# Altium PCB ld_harness.PcbDoc (part 3 of 3)
Units mm, origin at the board's own origin, x right, y up, seen from the top; angles counter-clockwise.
Board outline 234 x 120.33 mm, 2 copper layers (Top Layer, Bottom Layer), stack 0.145 mm thick; 21 components, 114 nets, 500 pads, 1994 vias.
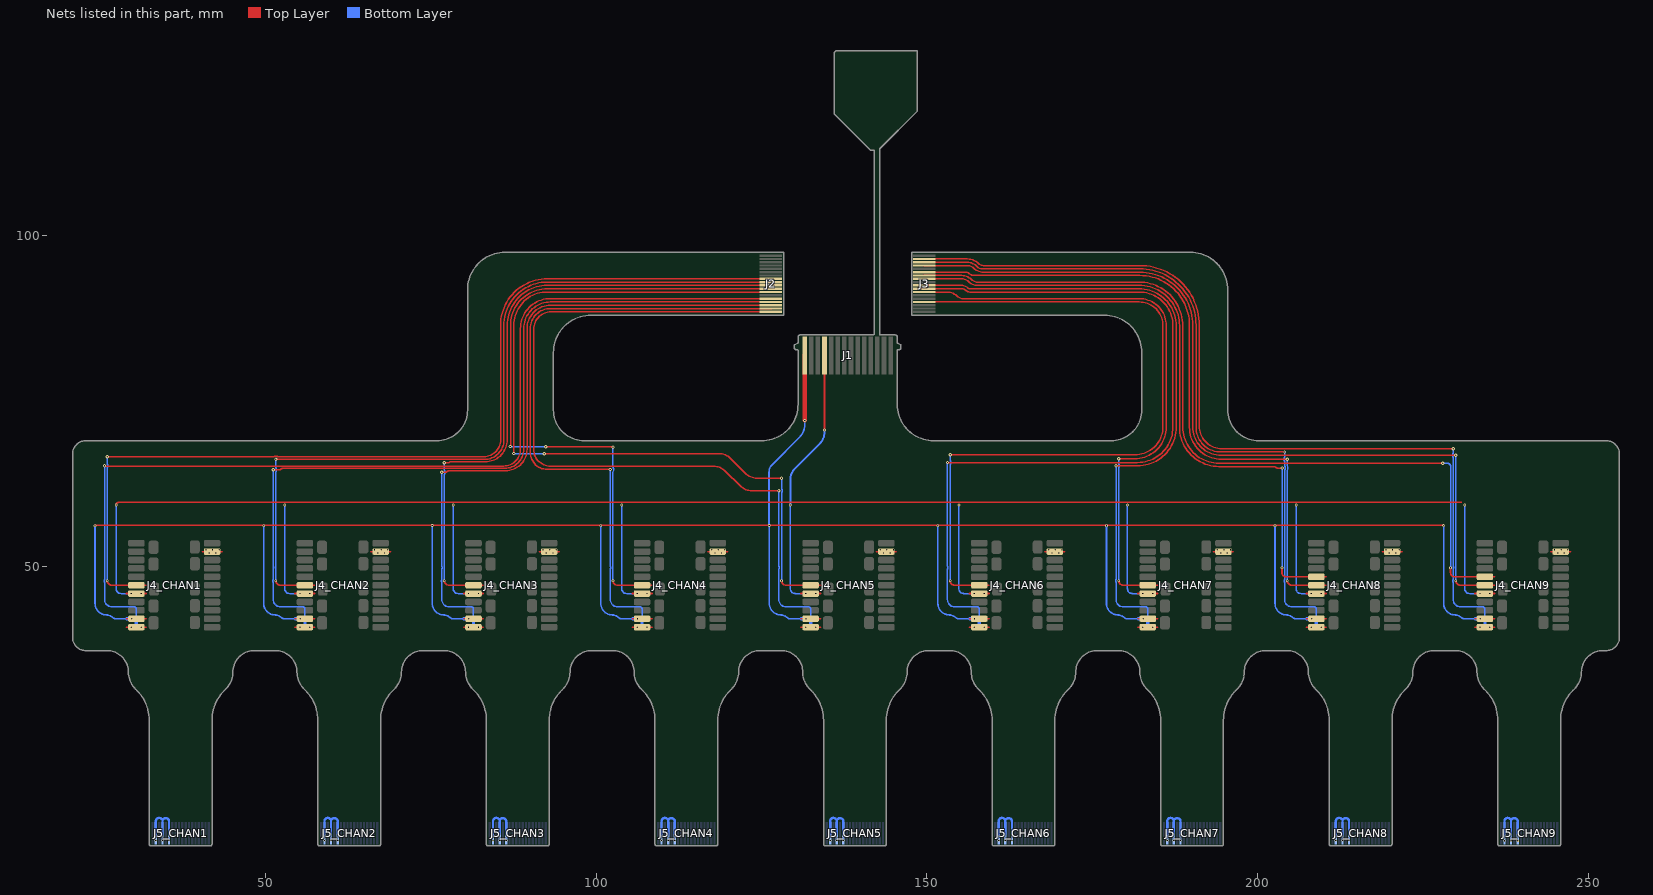
[diagram p3: the nets of this part, all layers, seen from the top]

## Via types
v1: diameter 0.4, hole 0.2, Top Layer to Bottom Layer, tented both sides, 1077 vias
v2: diameter 0.35, hole 0.2, Top Layer to Bottom Layer, tented both sides, 739 vias
v3: diameter 0.45, hole 0.2, Top Layer to Bottom Layer, tented both sides, 98 vias
v4: diameter 0.5, hole 0.2, Top Layer to Bottom Layer, tented both sides, 65 vias
v5: diameter 0.6, hole 0.2, Top Layer to Bottom Layer, tented both sides, 15 vias

## Nets (pads, with @x,y where several pads share a name; then routed paths per layer and width w, separated by ;. In a path a pad name is that pad's centre, name@x,y a point inside that pad or via, vN(x,y) a via of type N, cw(c..) or ccw(c..) an arc to the next point about the centre after c; other vN are vias at no path point) (continued)
OP_OUT_P8: J3.11 J4_CHAN8.5_G | length 98.3
  Top Layer w0.2: J3.11@149.5,93.5 155.251,93.5 cw(c155.251,91.951) 156.346,93.046 ccw(c157.666,94.366) 157.666,92.5 182.1,92.5 cw(c182.1,86.4) 188.2,86.4 188.2,71.055 ccw(c194.155,71.055) 194.155,65.1 202.459,65.1 cw(c202.459,64.759) 202.7,65 ccw(c203.002,65.302) 203.002,64.875 v4(203.725,64.875) ; J4_CHAN8.5_G@207.656,48.4 J4_CHAN8.5_G@207.8,48.4
  Top Layer w0.25: v1(203.7,49.798) 203.7,49.025 ccw(c204.3,49.025) 204.3,48.425 207.4,48.425 207.656,48.425 208.15,48.425 208.7,48.425 J4_CHAN8.5_G@208.9,48.425
  Bottom Layer w0.2: v1(203.7,49.798) 203.725,49.823 v4(203.725,64.875)
OP_OUT_P9: J3.12 J4_CHAN9.5_G | length 124.3
  Top Layer w0.2: J3.12@149.5,94 155.251,94 cw(c155.251,91.951) 156.7,93.4 ccw(c157.666,94.366) 157.666,93 182.1,93 cw(c182.1,86.4) 188.7,86.4 188.7,71.055 ccw(c194.155,71.055) 194.155,65.6 199.8,65.6 v4(228,65.6) ; J4_CHAN9.5_G@233.156,48.4 J4_CHAN9.5_G@233.3,48.4
  Top Layer w0.25: v1(229.2,49.798) 229.2,49.025 ccw(c229.8,49.025) 229.8,48.425 232.9,48.425 233.156,48.425 233.65,48.425 234.2,48.425 J4_CHAN9.5_G@234.4,48.425
  Bottom Layer w0.2: v4(228,65.6) 228.717,65.6 cw(c228.717,65.092) 229.225,65.092 229.225,49.823 v1(229.2,49.798)
PULSE_IN_A: J1.4 J4_CHAN1.7_G J4_CHAN2.7_G J4_CHAN3.7_G J4_CHAN4.7_G J4_CHAN5.7_G J4_CHAN6.7_G J4_CHAN7.7_G J4_CHAN8.7_G J4_CHAN9.7_G | length 380.6
  Top Layer w0.2: v1(27.337,59.275) cw(c27.762,59.275) 27.762,59.7 27.888,59.7 48.7,59.7 74.2,59.7 99.7,59.7 125.2,59.7 150.7,59.7 176.2,59.7 201.7,59.7 227.2,59.7 230.875,59.7
  Top Layer w0.3: v3@134.5,70.55 J1.4@134.5,82
  Bottom Layer w0.2: v1(27.337,59.275) 27.325,59.262 27.325,46.647 ccw(c28.087,46.647) 28.087,45.885 29.65,45.885 v2(29.65,45.88) ; v1(52.837,59.275) 52.825,59.262 52.825,46.647 ccw(c53.587,46.647) 53.587,45.885 55.15,45.885 v2(55.15,45.88) ; v1(78.338,59.275) 78.325,59.262 78.325,46.647 ccw(c79.087,46.647) 79.087,45.885 80.65,45.885 v2(80.65,45.88) ; v1(103.838,59.275) 103.825,59.262 103.825,46.647 ccw(c104.587,46.647) 104.587,45.885 106.15,45.885 v2(106.15,45.88) ; v1(129.338,59.275) 129.325,59.262 129.325,46.647 ccw(c130.087,46.647) 130.087,45.885 131.65,45.885 v2(131.65,45.88) ; v1(154.838,59.275) 154.825,59.262 154.825,46.647 ccw(c155.587,46.647) 155.587,45.885 157.15,45.885 v2(157.15,45.88) ; v1(180.338,59.275) 180.325,59.262 180.325,46.647 ccw(c181.087,46.647) 181.087,45.885 182.65,45.885 v2(182.65,45.88) ; v1(205.838,59.275) 205.825,59.262 205.825,46.647 ccw(c206.587,46.647) 206.587,45.885 208.15,45.885 v2(208.15,45.88) ; v1(231.338,59.275) 231.325,59.262 231.325,46.647 ccw(c232.087,46.647) 232.087,45.885 233.65,45.885 v2(233.65,45.88)
  Bottom Layer w0.3: v1(129.338,59.275) 129.338,63.06 cw(c131.878,63.06) 130.081,64.856 133.756,68.531 ccw(c131.96,70.327) 134.5,70.327 v3(134.5,70.625)
  Bottom Layer w0.5: v2@29.65,45.885 v2@31.15,45.885 ; v2@55.15,45.885 v2@56.65,45.885 ; v2@80.65,45.885 v2@82.15,45.885 ; v2@106.15,45.885 v2@107.65,45.885 ; v2@131.65,45.885 v2@133.15,45.885 ; v2@157.15,45.885 v2@158.65,45.885 ; v2@182.65,45.885 v2@184.15,45.885 ; v2@208.15,45.885 v2@209.65,45.885 ; v2@233.65,45.885 v2@235.15,45.885
  other v2: 31.15,45.89 56.65,45.89 82.15,45.89 107.65,45.89 133.15,45.89 158.65,45.89 184.15,45.89 209.65,45.89 235.15,45.89
PULSE_OUT_A1: J2.8 J4_CHAN1.6_G | length 145.4
  Top Layer w0.2: v1(26,47.8) ccw(c26.645,47.8) 26.645,47.155 28.9,47.155 ; v4(26,66.575) cw(c26.025,66.575) 26.025,66.6 51.187,66.6 ccw(c51.186,66.8) 51.278,66.623 cw(c51.511,66.18) 51.765,66.61 51.775,66.606 ccw(c51.856,66.789) 51.791,66.6 52.2,66.6 82.96,66.6 ccw(c82.96,69.14) 85.5,69.14 85.5,86.46 cw(c92.54,86.46) 92.54,93.5 J2.8@126.5,93.5
  Bottom Layer w0.2: v1(26,47.8) 26,64.886 cw(c26.2,64.885) 26.021,64.974 ccw(c25.575,65.2) 26.021,65.426 cw(c26.2,65.515) 26,65.514 v4(26,66.575)
PULSE_OUT_A2: J2.9 J4_CHAN2.6_G | length 119.4
  Top Layer w0.2: v1(51.5,47.8) ccw(c52.145,47.8) 52.145,47.155 54.4,47.155 ; v4(51.511,66.18) 83.04,66.18 ccw(c83.04,69.14) 86,69.14 86,86.46 cw(c92.54,86.46) 92.54,93 J2.9@126.5,93
  Bottom Layer w0.2: v1(51.5,47.8) 51.5,64.24 cw(c51.7,64.239) 51.528,64.342 ccw(c51.1,64.6) 51.528,64.858 cw(c51.7,64.961) 51.5,64.96 v4@51.5,66.169 ; v4@51.5,66.169 51.5,66.18 v4(51.511,66.18) v4@51.5,66.169
PULSE_OUT_A3: J2.10 J4_CHAN3.6_G | length 93.4
  Top Layer w0.2: v4(76.982,65.677) 77.61,65.677 ccw(c77.61,65.84) 77.725,65.725 cw(c77.935,65.515) 77.935,65.812 83.16,65.812 ccw(c83.16,69.152) 86.5,69.152 86.5,86.46 cw(c92.54,86.46) 92.54,92.5 J2.10@126.5,92.5 ; v1(77,47.8) ccw(c77.645,47.8) 77.645,47.155 79.9,47.155
  Bottom Layer w0.2: v4(76.982,65.677) cw(c76.94,65.635) 77,65.635 77,64.585 ccw(c77.2,64.586) 77.028,64.483 cw(c76.6,64.225) 77.028,63.967 ccw(c77.2,63.864) 77,63.865 v1(77,47.8)
PULSE_OUT_A4: J2.11 J4_CHAN4.6_G | length 100
  Top Layer w0.2: v4(86.975,68.125) 87,68.15 87,86.46 cw(c92.54,86.46) 92.54,92 J2.11@126.5,92 ; v4(92.35,68.075) 102.344,68.075 102.419,68 v4(102.5,68) ; v1(102.5,47.8) ccw(c103.145,47.8) 103.145,47.155 105.4,47.155
  Bottom Layer w0.2: v4@87.075,68.125 87.125,68.075 v4(92.35,68.075) ; v1(102.5,47.8) 102.5,64.2 102.584,64.525 ccw(c102.1,64.65) 102.528,64.908 cw(c102.7,65.011) 102.5,65.011 v4(102.5,68)
PULSE_OUT_A5: J2.12 J4_CHAN5.6_G | length 121.9
  Top Layer w0.2: v4(87.498,67.078) 87.5,67.08 87.5,86.46 cw(c92.54,86.46) 92.54,91.5 122.175,91.5 J2.12@126.5,91.5 ; v4(92.1,67.05) 118.498,67.05 cw(c118.498,64.51) 120.294,66.306 122.506,64.094 ccw(c124.302,65.89) 124.302,63.35 v4(128,63.35) ; v1(128,47.8) ccw(c128.645,47.8) 128.645,47.155 130.9,47.155
  Bottom Layer w0.2: v4(87.498,67.078) ccw(c87.565,67.146) 87.565,67.05 v4(92.1,67.05) ; v1(128,47.8) 128,61.131 ccw(c127.6,61.431) 128,61.731 v4(128,63.35)
PULSE_OUT_A6: J3.4 J4_CHAN6.6_G | length 109.6
  Top Layer w0.2: J3.4@150.5,90 182.1,90 cw(c182.1,86.4) 185.7,86.4 185.7,71.11 cw(c181.493,71.11) 181.493,66.903 v4(153.5,66.903) ; v1(153.5,47.8) ccw(c154.145,47.8) 154.145,47.155 156.4,47.155
  Bottom Layer w0.2: v1(153.5,47.8) 153.5,65.38 ccw(c153.116,65.7) 153.5,66.02 v4(153.5,66.903)
PULSE_OUT_A7: J3.7 J4_CHAN7.6_G | length 86.4
  Top Layer w0.2: J3.7@149.5,91.5 153.051,91.5 cw(c153.051,89.451) 154.5,90.9 ccw(c155.466,91.866) 155.466,90.5 182.1,90.5 cw(c182.1,86.4) 186.2,86.4 186.2,71.055 cw(c181.445,71.055) 181.445,66.3 v4(179,66.3) ; v1(179,47.8) ccw(c179.645,47.8) 179.645,47.155 181.9,47.155
  Bottom Layer w0.2: v1(179,47.8) 179,64.9 ccw(c178.6,65.2) 179,65.5 v4(179,66.3)
PULSE_OUT_A8: J3.13 J4_CHAN8.6_G | length 99.3
  Top Layer w0.2: J3.13@149.5,94.5 155.917,94.5 cw(c155.917,93.817) 156.4,94.3 ccw(c157.124,95.024) 157.124,94 182.2,94 cw(c182.2,86.5) 189.7,86.5 189.7,71.055 ccw(c194.555,71.055) 194.555,66.2 v4(204.5,66.2) ; v1(204.5,47.8) ccw(c205.145,47.8) 205.145,47.155 207.4,47.155
  Bottom Layer w0.2: v1(204.5,47.8) 204.5,64.485 cw(c204.7,64.485) 204.514,64.559 ccw(c203.725,64.875) 204.514,65.191 cw(c204.7,65.265) 204.5,65.265 v4(204.5,66.2)
PULSE_OUT_A9: J3.15 J4_CHAN9.6_G | length 125.5
  Top Layer w0.2: J3.15@149.5,95.5 156.11,95.5 cw(c156.11,94.11) 157.093,95.093 ccw(c158.524,96.524) 158.524,94.5 182.2,94.5 cw(c182.2,86.5) 190.2,86.5 190.2,71.055 ccw(c194.455,71.055) 194.455,66.8 199.8,66.8 v4(230,66.8) ; v1(230,47.8) ccw(c230.645,47.8) 230.645,47.155 232.9,47.155
  Bottom Layer w0.2: v1(230,47.8) v4(230,66.8)
STDN_A: J1.1 J4_CHAN1.10_G J4_CHAN2.10_G J4_CHAN3.10_G J4_CHAN4.10_G J4_CHAN5.10_G J4_CHAN6.10_G J4_CHAN7.10_G J4_CHAN8.10_G J4_CHAN9.10_G | length 397.3
  Top Layer w0.25: v1@24.15,56.225 25.3,56.225 48.675,56.225 ; 48.7,56.225 50.8,56.225 74.175,56.225 ; 74.2,56.225 76.3,56.225 99.675,56.225 ; 99.7,56.225 101.8,56.225 125.175,56.225 ; 125.2,56.225 127.3,56.225 150.675,56.225 ; 150.7,56.225 152.8,56.225 176.175,56.225 ; 176.2,56.225 178.3,56.225 201.675,56.225 ; 201.7,56.225 203.8,56.225 v3@228.15,56.225
  Top Layer w0.7: v4(131.5,72.075) 131.5,79.145 J1.1@131.5,82
  Bottom Layer w0.25: v1@24.15,56.1 24.15,44.399 ccw(c25.899,44.399) 25.899,42.65 cw(c25.899,41.38) 26.797,42.278 ccw(c27.302,42.783) 27.302,42.069 28.947,42.069 ; v1@49.65,56.1 49.65,44.399 ccw(c51.399,44.399) 51.399,42.65 cw(c51.399,41.38) 52.297,42.278 ccw(c52.802,42.783) 52.802,42.069 54.447,42.069 ; v1@75.15,56.1 75.15,44.399 ccw(c76.899,44.399) 76.899,42.65 cw(c76.899,41.38) 77.797,42.278 ccw(c78.302,42.783) 78.302,42.069 79.947,42.069 ; v1@100.65,56.1 100.65,44.399 ccw(c102.399,44.399) 102.399,42.65 cw(c102.399,41.38) 103.297,42.278 ccw(c103.802,42.783) 103.802,42.069 105.447,42.069 ; v1@126.15,56.1 126.15,44.399 ccw(c127.899,44.399) 127.899,42.65 cw(c127.899,41.38) 128.797,42.278 ccw(c129.302,42.783) 129.302,42.069 130.947,42.069 ; v1(126.15,56.175) 126.121,56.204 126.121,56.31 126.109,56.322 126.109,64.245 cw(c127.711,64.245) 126.578,65.378 130.756,69.556 ccw(c128.96,71.352) 131.5,71.352 v4(131.5,72.075) v4@131.475,72.05 ; v1@151.65,56.1 151.65,44.399 ccw(c153.399,44.399) 153.399,42.65 cw(c153.399,41.38) 154.297,42.278 ccw(c154.802,42.783) 154.802,42.069 156.447,42.069 ; v1@177.15,56.1 177.15,44.399 ccw(c178.899,44.399) 178.899,42.65 cw(c178.899,41.38) 179.797,42.278 ccw(c180.302,42.783) 180.302,42.069 181.947,42.069 ; v1@202.65,56.1 202.65,44.399 ccw(c204.399,44.399) 204.399,42.65 cw(c204.399,41.38) 205.297,42.278 ccw(c205.802,42.783) 205.802,42.069 207.447,42.069 ; v3@228.15,56.1 228.15,44.399 ccw(c229.899,44.399) 229.899,42.65 cw(c229.899,41.38) 230.797,42.278 ccw(c231.302,42.783) 231.302,42.069 232.947,42.069
  Bottom Layer w0.5: 28.947,42.069 v2@29.689,42.069 ; 54.447,42.069 v2@55.189,42.069 ; 79.947,42.069 v2@80.689,42.069 ; 105.447,42.069 v2@106.189,42.069 ; 130.947,42.069 v2@131.689,42.069 ; 156.447,42.069 v2@157.189,42.069 ; 181.947,42.069 v2@182.689,42.069 ; 207.447,42.069 v2@208.189,42.069 ; 232.947,42.069 v2@233.689,42.069
  other v1: 24.15,56.125 49.65,56.125 100.65,56.125 151.65,56.15 177.15,56.15 202.65,56.15 75.15,56.175
  other v2: 29.7,42.08 55.2,42.08 80.7,42.08 106.2,42.08 131.7,42.08 157.2,42.08 182.7,42.08 208.2,42.08 233.7,42.08
  other v3: 228.15,56.15
TEMP_A1: J2.14 J4_CHAN1.11_G | length 153.4
  Top Layer w0.2: v4(25.575,65.2) 25.598,65.177 85.96,65.177 ccw(c85.96,67.717) 88.5,67.717 88.5,85.96 cw(c93.04,85.96) 93.04,90.5 J2.14@126.5,90.5
  Bottom Layer w0.2: v4(25.575,65.2) 25.6,65.175 25.6,50.048 ccw(c25.8,50.048) 25.615,49.971 cw(c25.2,49.798) 25.615,49.625 ccw(c25.8,49.548) 25.6,49.548 25.6,48.05 cw(c25.4,48.05) 25.585,47.973 ccw(c26,47.8) 25.568,47.675 25.6,47.564 25.6,44.95 ccw(c26.675,44.95) 26.675,43.875 30.07,43.875 cw(c30.07,43.545) 30.4,43.545 30.4,41.775
  Bottom Layer w0.5: v2@29.6,40.805 30.4,40.805 ; 30.4,41.775 30.4,40.805 ; v2@31.15,40.805 30.4,40.805
  other v2: 29.65,40.8 31.15,40.81
TEMP_A2: J2.15 J4_CHAN2.11_G | length 127.2
  Top Layer w0.2: v4(51.1,64.6) 52.046,64.6 ccw(c52.046,64.922) 52.274,64.694 cw(c52.595,64.373) 52.595,64.827 53.475,64.827 83,64.827 86.11,64.827 ccw(c86.11,67.717) 89,67.717 89,85.96 cw(c93.04,85.96) 93.04,90 J2.15@126.5,90
  Bottom Layer w0.2: v4(51.1,64.6) 51.1,50.048 ccw(c51.3,50.048) 51.115,49.971 cw(c50.7,49.798) 51.115,49.625 ccw(c51.3,49.548) 51.1,49.548 51.1,48.05 cw(c50.9,48.05) 51.085,47.973 ccw(c51.5,47.8) 51.068,47.675 51.1,47.564 51.1,44.95 ccw(c52.175,44.95) 52.175,43.875 55.57,43.875 cw(c55.57,43.545) 55.9,43.545 55.9,41.775
  Bottom Layer w0.5: v2@55.1,40.805 55.9,40.805 ; 55.9,41.775 55.9,40.805 ; v2@56.65,40.805 55.9,40.805
  other v2: 55.15,40.8 56.65,40.81
TEMP_A3: J2.16 J4_CHAN3.11_G | length 101.3
  Top Layer w0.2: v4(76.6,64.225) 77.134,64.225 ccw(c77.134,64.566) 77.375,64.325 cw(c77.743,63.957) 77.743,64.477 86.26,64.477 ccw(c86.26,67.717) 89.5,67.717 89.5,85.96 cw(c93.04,85.96) 93.04,89.5 J2.16@126.5,89.5
  Bottom Layer w0.2: v4(76.6,64.225) 76.6,50.048 ccw(c76.8,50.048) 76.615,49.971 cw(c76.2,49.798) 76.615,49.625 ccw(c76.8,49.548) 76.6,49.548 76.6,48.05 cw(c76.4,48.05) 76.585,47.973 ccw(c77,47.8) 76.568,47.675 76.6,47.564 76.6,44.95 ccw(c77.675,44.95) 77.675,43.875 81.07,43.875 cw(c81.07,43.545) 81.4,43.545 81.4,41.775
  Bottom Layer w0.5: v2@80.6,40.805 81.4,40.805 ; 81.4,41.775 81.4,40.805 ; v2@82.15,40.805 81.4,40.805
  other v2: 80.65,40.8 82.15,40.81
TEMP_A4: J2.17 J4_CHAN4.11_G | length 100.2
  Top Layer w0.2: v4@102.15,64.675 92.54,64.675 cw(c92.54,67.215) 90,67.215 90,85.96 cw(c93.04,85.96) 93.04,89 J2.17@126.5,89
  Bottom Layer w0.2: v4(102.1,64.65) 102.1,50.048 ccw(c102.3,50.048) 102.115,49.971 cw(c101.7,49.798) 102.115,49.625 ccw(c102.3,49.548) 102.1,49.548 102.1,48.05 cw(c101.9,48.05) 102.085,47.973 ccw(c102.5,47.8) 102.068,47.675 102.1,47.564 102.1,44.95 ccw(c103.175,44.95) 103.175,43.875 106.57,43.875 cw(c106.57,43.545) 106.9,43.545 106.9,41.775
  Bottom Layer w0.5: v2@106.1,40.805 106.9,40.805 ; 106.9,41.775 106.9,40.805 ; v2@107.65,40.805 106.9,40.805
  other v2: 106.15,40.8 107.65,40.81
TEMP_A5: J2.18 J4_CHAN5.11_G | length 121.9
  Top Layer w0.2: J2.18@126.5,88.5 93.14,88.5 ccw(c93.14,85.86) 90.5,85.86 90.5,67.69 ccw(c93.04,67.69) 93.04,65.15 117.698,65.15 cw(c117.698,62.61) 119.494,64.406 121.725,62.175 ccw(c123.521,63.971) 123.521,61.431 v4(127.6,61.431)
  Bottom Layer w0.2: v4(127.6,61.431) 127.6,50.048 ccw(c127.8,50.048) 127.615,49.971 cw(c127.2,49.798) 127.615,49.625 ccw(c127.8,49.548) 127.6,49.548 127.6,48.05 cw(c127.4,48.05) 127.585,47.973 ccw(c128,47.8) 127.568,47.675 127.6,47.564 127.6,44.95 ccw(c128.675,44.95) 128.675,43.875 132.07,43.875 cw(c132.07,43.545) 132.4,43.545 132.4,41.775
  Bottom Layer w0.5: v2@131.6,40.805 132.4,40.805 ; 132.4,41.775 132.4,40.805 ; v2@133.15,40.805 132.4,40.805
  other v2: 131.65,40.8 133.15,40.81
TEMP_A6: J3.8 J4_CHAN6.11_G | length 124
  Top Layer w0.2: J3.8@149.5,92 155.234,92 cw(c155.234,91.134) 155.846,91.746 ccw(c156.441,92.341) 156.441,91.5 182.1,91.5 cw(c182.1,86.4) 187.2,86.4 187.2,71.055 cw(c181.845,71.055) 181.845,65.7 v4(153.116,65.7)
  Bottom Layer w0.2: v4(153.116,65.7) cw(c153.116,65.724) 153.092,65.724 153.092,62.4 153.1,62.4 153.1,50.048 ccw(c153.3,50.048) 153.115,49.971 cw(c152.7,49.798) 153.115,49.625 ccw(c153.3,49.548) 153.1,49.548 153.1,48.05 cw(c152.9,48.05) 153.085,47.973 ccw(c153.5,47.8) 153.068,47.675 153.1,47.564 153.1,44.95 ccw(c154.175,44.95) 154.175,43.875 157.57,43.875 cw(c157.57,43.545) 157.9,43.545 157.9,41.775
  Bottom Layer w0.5: v2@157.1,40.805 157.9,40.805 ; 157.9,41.775 157.9,40.805 ; v2@158.65,40.805 157.9,40.805
  other v2: 157.15,40.8 158.65,40.81
TEMP_A7: J3.9 J4_CHAN7.11_G | length 99.5
  Top Layer w0.2: J3.9@149.5,92.5 155.234,92.5 cw(c155.234,91.134) 156.2,92.1 ccw(c156.441,92.341) 156.441,92 182.1,92 cw(c182.1,86.4) 187.7,86.4 187.7,71.055 cw(c181.845,71.055) 181.845,65.2 v4(178.6,65.2)
  Bottom Layer w0.2: v4(178.6,65.2) 178.6,50.048 ccw(c178.8,50.048) 178.615,49.971 cw(c178.2,49.798) 178.615,49.625 ccw(c178.8,49.548) 178.6,49.548 178.6,48.05 cw(c178.4,48.05) 178.585,47.973 ccw(c179,47.8) 178.568,47.675 178.6,47.564 178.6,44.95 ccw(c179.675,44.95) 179.675,43.875 183.07,43.875 cw(c183.07,43.545) 183.4,43.545 183.4,41.775
  Bottom Layer w0.5: v2@182.6,40.805 183.4,40.805 ; 183.4,41.775 183.4,40.805 ; v2@184.15,40.805 183.4,40.805
  other v2: 182.65,40.8 184.15,40.81
TEMP_A8: J3.16 J4_CHAN8.11_G | length 109.7
  Top Layer w0.2: J3.16@149.5,96 156.11,96 cw(c156.11,94.11) 157.446,95.446 ccw(c158.524,96.524) 158.524,95 182.2,95 cw(c182.2,86.5) 190.7,86.5 190.7,71.055 ccw(c194.455,71.055) 194.455,67.3 v4(204.069,67.3)
  Bottom Layer w0.2: v4(204.069,67.3) ccw(c204.069,67.32) 204.089,67.32 204.089,66.542 cw(c203.889,66.542) 204.064,66.445 ccw(c204.5,66.2) 204.071,65.943 cw(c203.9,65.839) 204.1,65.839 204.1,65.274 ccw(c204.3,65.274) 204.136,65.16 cw(c203.725,64.875) 204.136,64.59 ccw(c204.3,64.476) 204.1,64.476 204.1,50.048 ccw(c204.3,50.048) 204.115,49.971 cw(c203.7,49.798) 204.115,49.625 ccw(c204.3,49.548) 204.1,49.548 204.1,48.05 cw(c203.9,48.05) 204.085,47.973 ccw(c204.5,47.8) 204.068,47.675 204.1,47.564 204.1,44.95 ccw(c205.175,44.95) 205.175,43.875 208.57,43.875 cw(c208.57,43.545) 208.9,43.545 208.9,41.775
  Bottom Layer w0.5: v2@208.1,40.805 208.9,40.805 ; 208.9,41.775 208.9,40.805 ; v2@209.65,40.805 208.9,40.805
  other v2: 208.15,40.8 209.65,40.81
TEMP_A9: J3.17 J4_CHAN9.11_G | length 135.5
  Top Layer w0.2: J3.17@149.5,96.5 156.11,96.5 cw(c156.11,94.11) 157.8,95.8 ccw(c158.524,96.524) 158.524,95.5 182.2,95.5 cw(c182.2,86.5) 191.2,86.5 191.2,71.2 ccw(c194.6,71.2) 194.6,67.8 199.8,67.8 v4(229.6,67.8)
  Bottom Layer w0.2: v4(229.6,67.8) 229.6,67.161 cw(c229.4,67.161) 229.572,67.058 ccw(c230,66.8) 229.571,66.543 cw(c229.4,66.439) 229.6,66.439 229.6,50.048 ccw(c229.8,50.048) 229.615,49.971 cw(c229.2,49.798) 229.615,49.625 ccw(c229.8,49.548) 229.6,49.548 229.6,48.05 cw(c229.4,48.05) 229.585,47.973 ccw(c230,47.8) 229.568,47.675 229.6,47.564 229.6,44.95 ccw(c230.675,44.95) 230.675,43.875 234.07,43.875 cw(c234.07,43.545) 234.4,43.545 234.4,41.775
  Bottom Layer w0.5: v2@233.6,40.805 234.4,40.805 ; 234.4,41.775 234.4,40.805 ; v2@235.15,40.805 234.4,40.805
  other v2: 233.65,40.8 235.15,40.81
V_LASER_CHAN1: J4_CHAN1.2 J5_CHAN1.2 J5_CHAN1.4 J5_CHAN1.6 | length 8.8
  Bottom Layer w0.35: J5_CHAN1.2@33.35,9.5 33.35,11.075 33.35,11.417 ; 33.35,11.419 33.35,11.45 cw(c33.85,11.45) 34.212,11.795 34.35,11.65 ; J5_CHAN1.4@34.35,9.5 34.35,11.65 ; J5_CHAN1.6@35.35,9.5 35.35,11.075 35.35,11.417 ccw(c34.85,11.417) 34.528,11.8 34.35,11.65
  other v2: 33.35,8.525 34.35,8.525 35.35,8.525 41.425,52.025 42.425,52.025 40.925,52.525 41.925,52.525 42.925,52.525
V_LASER_CHAN2: J4_CHAN2.2 J5_CHAN2.2 J5_CHAN2.4 J5_CHAN2.6 | length 8.8
  Bottom Layer w0.35: J5_CHAN2.2@58.85,9.5 58.85,11.075 58.85,11.417 ; 58.85,11.419 58.85,11.45 cw(c59.35,11.45) 59.712,11.795 59.85,11.65 ; J5_CHAN2.4@59.85,9.5 59.85,11.65 ; J5_CHAN2.6@60.85,9.5 60.85,11.075 60.85,11.417 ccw(c60.35,11.417) 60.028,11.8 59.85,11.65
  other v2: 58.85,8.525 59.85,8.525 60.85,8.525 66.925,52.025 67.925,52.025 66.425,52.525 67.425,52.525 68.425,52.525
V_LASER_CHAN3: J4_CHAN3.2 J5_CHAN3.2 J5_CHAN3.4 J5_CHAN3.6 | length 8.8
  Bottom Layer w0.35: J5_CHAN3.2@84.35,9.5 84.35,11.075 84.35,11.417 ; 84.35,11.419 84.35,11.45 cw(c84.85,11.45) 85.212,11.795 85.35,11.65 ; J5_CHAN3.4@85.35,9.5 85.35,11.65 ; J5_CHAN3.6@86.35,9.5 86.35,11.075 86.35,11.417 ccw(c85.85,11.417) 85.528,11.8 85.35,11.65
  other v2: 84.35,8.525 85.35,8.525 86.35,8.525 92.425,52.025 93.425,52.025 91.925,52.525 92.925,52.525 93.925,52.525
V_LASER_CHAN4: J4_CHAN4.2 J5_CHAN4.2 J5_CHAN4.4 J5_CHAN4.6 | length 8.8
  Bottom Layer w0.35: J5_CHAN4.2@109.85,9.5 109.85,11.075 109.85,11.417 ; 109.85,11.419 109.85,11.45 cw(c110.35,11.45) 110.712,11.795 110.85,11.65 ; J5_CHAN4.4@110.85,9.5 110.85,11.65 ; J5_CHAN4.6@111.85,9.5 111.85,11.075 111.85,11.417 ccw(c111.35,11.417) 111.028,11.8 110.85,11.65
  other v2: 109.85,8.525 110.85,8.525 111.85,8.525 117.925,52.025 118.925,52.025 117.425,52.525 118.425,52.525 119.425,52.525
V_LASER_CHAN5: J4_CHAN5.2 J5_CHAN5.2 J5_CHAN5.4 J5_CHAN5.6 | length 8.8
  Bottom Layer w0.35: J5_CHAN5.2@135.35,9.5 135.35,11.075 135.35,11.417 ; 135.35,11.419 135.35,11.45 cw(c135.85,11.45) 136.212,11.795 136.35,11.65 ; J5_CHAN5.4@136.35,9.5 136.35,11.65 ; J5_CHAN5.6@137.35,9.5 137.35,11.075 137.35,11.417 ccw(c136.85,11.417) 136.528,11.8 136.35,11.65
  other v2: 135.35,8.525 136.35,8.525 137.35,8.525 143.425,52.025 144.425,52.025 142.925,52.525 143.925,52.525 144.925,52.525
V_LASER_CHAN6: J4_CHAN6.2 J5_CHAN6.2 J5_CHAN6.4 J5_CHAN6.6 | length 8.8
  Bottom Layer w0.35: J5_CHAN6.2@160.85,9.5 160.85,11.075 160.85,11.417 ; 160.85,11.419 160.85,11.45 cw(c161.35,11.45) 161.712,11.795 161.85,11.65 ; J5_CHAN6.4@161.85,9.5 161.85,11.65 ; J5_CHAN6.6@162.85,9.5 162.85,11.075 162.85,11.417 ccw(c162.35,11.417) 162.028,11.8 161.85,11.65
  other v2: 160.85,8.525 161.85,8.525 162.85,8.525 168.925,52.025 169.925,52.025 168.425,52.525 169.425,52.525 170.425,52.525
V_LASER_CHAN7: J4_CHAN7.2 J5_CHAN7.2 J5_CHAN7.4 J5_CHAN7.6 | length 8.8
  Bottom Layer w0.35: J5_CHAN7.2@186.35,9.5 186.35,11.075 186.35,11.417 ; 186.35,11.419 186.35,11.45 cw(c186.85,11.45) 187.212,11.795 187.35,11.65 ; J5_CHAN7.4@187.35,9.5 187.35,11.65 ; J5_CHAN7.6@188.35,9.5 188.35,11.075 188.35,11.417 ccw(c187.85,11.417) 187.528,11.8 187.35,11.65
  other v2: 186.35,8.525 187.35,8.525 188.35,8.525 194.425,52.025 195.425,52.025 193.925,52.525 194.925,52.525 195.925,52.525
V_LASER_CHAN8: J4_CHAN8.2 J5_CHAN8.2 J5_CHAN8.4 J5_CHAN8.6 | length 8.8
  Bottom Layer w0.35: J5_CHAN8.2@211.85,9.5 211.85,11.075 211.85,11.417 ; 211.85,11.419 211.85,11.45 cw(c212.35,11.45) 212.712,11.795 212.85,11.65 ; J5_CHAN8.4@212.85,9.5 212.85,11.65 ; J5_CHAN8.6@213.85,9.5 213.85,11.075 213.85,11.417 ccw(c213.35,11.417) 213.028,11.8 212.85,11.65
  other v2: 211.85,8.525 212.85,8.525 213.85,8.525 219.925,52.025 220.925,52.025 219.425,52.525 220.425,52.525 221.425,52.525
V_LASER_CHAN9: J4_CHAN9.2 J5_CHAN9.2 J5_CHAN9.4 J5_CHAN9.6 | length 8.8
  Bottom Layer w0.35: J5_CHAN9.2@237.35,9.5 237.35,11.075 237.35,11.417 ; 237.35,11.419 237.35,11.45 cw(c237.85,11.45) 238.212,11.795 238.35,11.65 ; J5_CHAN9.4@238.35,9.5 238.35,11.65 ; J5_CHAN9.6@239.35,9.5 239.35,11.075 239.35,11.417 ccw(c238.85,11.417) 238.528,11.8 238.35,11.65
  other v2: 237.35,8.5 238.35,8.5 239.35,8.5 245.425,52.025 246.425,52.025 244.925,52.525 245.925,52.525 246.925,52.525

## Polygon pours and split planes (outlines as drawn)
AGND on Bottom Layer "Polygon_0" (solid, remove dead copper, pour order 97): 21 vertices, not listed, extent 75.852,68.704 128.3,97.5
AGND on Bottom Layer "Polygon_0" (solid, remove dead copper, pour order 96): 19 vertices, not listed, extent 147.7,68.704 200.148,97.5
AGND on Bottom Layer "Polygon_0" (solid, remove dead copper, pour order 95): 125.01,68.694 125.112,68.694 ccw(c125.112,74.282) 130.7,74.282 130.7,84.575 cw(c130.975,84.575) 130.975,84.85 145.084,84.85 cw(c145.084,84.593) 145.34,84.593 145.34,74.273 ccw(c150.928,74.273) 150.928,68.685 151.389,68.685 151.389,68.377 125.01,68.377
AGND on Bottom Layer "Bottom Layer-AGND" (solid, remove dead copper, pour order 89): 201 vertices, not listed, extent 20.75,37.4 254.75,69
V_LASER_CHAN6 on Bottom Layer "Polygon_0" (solid, remove dead copper, pour order 29): 44 vertices, not listed, extent 156.697,10.825 170.6,52.725
V_LASER_CHAN9 on Bottom Layer "Polygon_0" (solid, remove dead copper, pour order 32): 44 vertices, not listed, extent 233.197,10.825 247.1,52.725
V_LASER_CHAN8 on Bottom Layer "Polygon_0" (solid, remove dead copper, pour order 31): 44 vertices, not listed, extent 207.697,10.825 221.6,52.725
V_LASER_CHAN7 on Bottom Layer "Polygon_0" (solid, remove dead copper, pour order 30): 44 vertices, not listed, extent 182.197,10.825 196.1,52.725
V_LASER_CHAN3 on Bottom Layer "Polygon_0" (solid, remove dead copper, pour order 51): 44 vertices, not listed, extent 80.197,10.825 94.1,52.725
V_LASER_CHAN5 on Bottom Layer "Polygon_0" (solid, remove dead copper, pour order 28): 44 vertices, not listed, extent 131.197,10.825 145.1,52.725
V_LASER_CHAN4 on Bottom Layer "Polygon_0" (solid, remove dead copper, pour order 27): 44 vertices, not listed, extent 105.697,10.825 119.6,52.725
V_LASER_CHAN2 on Bottom Layer "Polygon_0" (solid, remove dead copper, pour order 26): 44 vertices, not listed, extent 54.697,10.825 68.6,52.725
V_LASER_CHAN1 on Bottom Layer "Polygon_0" (solid, remove dead copper, pour order 25): 44 vertices, not listed, extent 29.197,10.825 43.1,52.725
CHANNEL_INTERFACE.V_LASER_P on Bottom Layer "Polygon_0" (solid, remove dead copper, pour order 59): 28 vertices, not listed, extent 207.7,51.7 210.3,57.5
CHANNEL_INTERFACE.V_LASER_P on Bottom Layer "Polygon_0" (solid, remove dead copper, pour order 14): 21 vertices, not listed, extent 140.325,56.575 144.125,62.775
CHANNEL_INTERFACE.V_LASER_P on Bottom Layer "Polygon_0" (solid, remove dead copper, pour order 56): 28 vertices, not listed, extent 131.2,51.7 133.8,57.5
CHANNEL_INTERFACE.V_LASER_P on Bottom Layer "Polygon_0" (solid, remove dead copper, pour order 83): 28 vertices, not listed, extent 80.2,51.7 82.8,57.5
CHANNEL_INTERFACE.V_LASER_P on Bottom Layer "Polygon_0" (solid, remove dead copper, pour order 60): 28 vertices, not listed, extent 233.2,51.7 235.8,57.5
CHANNEL_INTERFACE.V_LASER_P on Bottom Layer "Polygon_0" (solid, remove dead copper, pour order 58): 28 vertices, not listed, extent 182.2,51.7 184.8,57.5
CHANNEL_INTERFACE.V_LASER_P on Bottom Layer "Polygon_0" (solid, remove dead copper, pour order 57): 28 vertices, not listed, extent 156.7,51.7 159.3,57.5
CHANNEL_INTERFACE.V_LASER_P on Bottom Layer "Polygon_0" (solid, remove dead copper, pour order 55): 28 vertices, not listed, extent 105.7,51.7 108.3,57.5
CHANNEL_INTERFACE.V_LASER_P on Bottom Layer "Polygon_0" (solid, remove dead copper, pour order 54): 28 vertices, not listed, extent 54.7,51.7 57.3,57.5
CHANNEL_INTERFACE.V_LASER_P on Bottom Layer "Polygon_0" (solid, remove dead copper, pour order 53): 28 vertices, not listed, extent 29.2,51.7 31.8,57.5
CHANNEL_INTERFACE.V_LASER_P on Top Layer "Top Layer-CHANNEL_INTERFACE.V_LASER_P" (solid, remove dead copper, pour order 92): 19 vertices, not listed, extent 138.15,61.4 144.852,80.022
AGND on Top Layer "Polygon_0" (solid, remove dead copper, pour order 18): 134.35,8 ccw(c134.65,8) 134.65,7.7 139.6,7.7 139.6,12.325 134.35,12.325
AGND on Top Layer "Polygon_0" (solid, remove dead copper, pour order 17): 108.85,8 ccw(c109.15,8) 109.15,7.7 114.1,7.7 114.1,12.375 108.85,12.375
AGND on Top Layer "Polygon_0" (solid, remove dead copper, pour order 109): 35 vertices, not listed, extent 23.2,54.6 29.7,67.85
AGND on Top Layer "Polygon_0" (solid, remove dead copper, pour order 108): 49.5,61.7 cw(c48.148,61.7) 48.148,60.348 47.996,60.348 47.996,60.204 ccw(c48.1,60.204) 48.1,60.1 54.4,60.1 ccw(c54.4,60.2) 54.5,60.2 54.501,60.2 54.501,60.341 54.459,60.341 cw(c54.459,62.3) 52.5,62.3 52.5,66.75 ccw(c52,66.75) 52,67.25 50.1,67.25 ccw(c50.1,66.65) 49.5,66.65
AGND on Top Layer "Polygon_0" (solid, remove dead copper, pour order 106): 75,62.625 cw(c72.725,62.625) 72.725,60.35 ccw(c72.975,60.35) 72.975,60.1 80.825,60.1 ccw(c80.825,60.35) 81.075,60.35 80.54,60.35 cw(c80.54,62.89) 78,62.89 78,63.488 78,66.75 ccw(c77.5,66.75) 77.5,67.25 75.6,67.25 ccw(c75.6,66.65) 75,66.65
AGND on Top Layer "Polygon_0" (solid, remove dead copper, pour order 105): 18 vertices, not listed, extent 97.575,60.175 107.2,68.9
AGND on Top Layer "Polygon_0" (solid, remove dead copper, pour order 101): 151.7,62.675 cw(c149.375,62.675) 149.375,60.35 ccw(c149.625,60.35) 149.625,60.1 156.85,60.1 ccw(c156.85,60.35) 157.1,60.35 cw(c157.1,62.75) 154.7,62.75 154.7,66.7 ccw(c154.2,66.7) 154.2,67.2 152.3,67.2 ccw(c152.3,66.6) 151.7,66.6
AGND on Top Layer "Polygon_0" (solid, remove dead copper, pour order 94): 51 vertices, not listed, extent 121.625,60.15 135.85,71.825
AGND on Top Layer "Top Layer-AGND" (solid, remove dead copper, pour order 87): 420 vertices, not listed, extent 21.05,11.7 254.45,68.7
AGND_CHAN3 on Top Layer "Polygon_0" (solid, remove dead copper, pour order 41): 19 vertices, not listed, extent 89.05,7.7 95.85,48.05
AGND_CHAN9 on Top Layer "Polygon_0" (solid, remove dead copper, pour order 40): 19 vertices, not listed, extent 242.05,7.7 248.85,48.05
AGND_CHAN8 on Top Layer "Polygon_0" (solid, remove dead copper, pour order 39): 19 vertices, not listed, extent 216.55,7.7 223.35,48.05
AGND_CHAN7 on Top Layer "Polygon_0" (solid, remove dead copper, pour order 38): 19 vertices, not listed, extent 191.05,7.7 197.85,48.05
AGND_CHAN6 on Top Layer "Polygon_0" (solid, remove dead copper, pour order 37): 19 vertices, not listed, extent 165.55,7.7 172.35,48.05
AGND_CHAN5 on Top Layer "Polygon_0" (solid, remove dead copper, pour order 36): 19 vertices, not listed, extent 140.05,7.7 146.85,48.05
AGND_CHAN4 on Top Layer "Polygon_0" (solid, remove dead copper, pour order 35): 19 vertices, not listed, extent 114.55,7.7 121.35,48.05
AGND_CHAN2 on Top Layer "Polygon_0" (solid, remove dead copper, pour order 34): 19 vertices, not listed, extent 63.55,7.7 70.35,48.05
AGND_CHAN1 on Top Layer "Polygon_0" (solid, remove dead copper, pour order 33): 19 vertices, not listed, extent 38.05,7.7 44.85,48.05
AGND on Top Layer "Polygon_0" (solid, remove dead copper, pour order 21): 210.85,8 ccw(c211.15,8) 211.15,7.7 216.1,7.7 216.1,12.2 210.85,12.2
AGND on Top Layer "Polygon_0" (solid, remove dead copper, pour order 48): 18 vertices, not listed, extent 207.7,40.5 212.3,47.7
AGND on Top Layer "Polygon_0" (solid, remove dead copper, pour order 104): 18 vertices, not listed, extent 172.75,60.15 183.9,65.4
AGND on Top Layer "Polygon_0" (solid, remove dead copper, pour order 103): 30 vertices, not listed, extent 223.55,60.075 235.8,67.6
AGND on Top Layer "Polygon_0" (solid, remove dead copper, pour order 102): 21 vertices, not listed, extent 199.3,60.1 209.45,65.334
AGND on Top Layer "Polygon_0" (solid, remove dead copper, pour order 93): 18 vertices, not listed, extent 133.5,69.5 135.5,79
AGND on Top Layer "Polygon_0" (solid, remove dead copper, pour order 23): 83.35,8 ccw(c83.65,8) 83.65,7.7 88.6,7.7 88.6,12.2 83.35,12.2
AGND on Top Layer "Polygon_0" (solid, remove dead copper, pour order 50): 18 vertices, not listed, extent 80.2,40.5 84.8,47.7
AGND on Top Layer "Polygon_0" (solid, remove dead copper, pour order 22): 17 vertices, not listed, extent 236.652,8.012 241.6,12.2
AGND on Top Layer "Polygon_0" (solid, remove dead copper, pour order 49): 18 vertices, not listed, extent 233.2,40.5 237.8,47.7
AGND on Top Layer "Polygon_0" (solid, remove dead copper, pour order 20): 185.35,8 ccw(c185.65,8) 185.65,7.7 190.6,7.7 190.6,12.2 185.35,12.2
AGND on Top Layer "Polygon_0" (solid, remove dead copper, pour order 47): 18 vertices, not listed, extent 182.2,40.5 186.8,47.7
AGND on Top Layer "Polygon_0" (solid, remove dead copper, pour order 19): 159.85,8 ccw(c160.15,8) 160.15,7.7 165.1,7.7 165.1,12.2 159.85,12.2
AGND on Top Layer "Polygon_0" (solid, remove dead copper, pour order 46): 18 vertices, not listed, extent 156.7,40.5 161.3,47.7
AGND on Top Layer "Polygon_0" (solid, remove dead copper, pour order 45): 18 vertices, not listed, extent 131.2,40.5 135.8,47.7
AGND on Top Layer "Polygon_0" (solid, remove dead copper, pour order 44): 18 vertices, not listed, extent 105.7,40.5 110.3,47.7
AGND on Top Layer "Polygon_0" (solid, remove dead copper, pour order 16): 57.85,8 ccw(c58.15,8) 58.15,7.7 63.1,7.7 63.1,12.2 57.85,12.2
AGND on Top Layer "Polygon_0" (solid, remove dead copper, pour order 43): 18 vertices, not listed, extent 54.7,40.5 59.3,47.7
AGND on Top Layer "Polygon_0" (solid, remove dead copper, pour order 42): 18 vertices, not listed, extent 29.2,40.5 33.8,47.7
AGND on Top Layer "Polygon_0" (solid, remove dead copper, pour order 15): 32.35,8 ccw(c32.65,8) 32.65,7.7 37.6,7.7 37.6,12.2 32.35,12.2

## Other copper
Top Layer:
  drawing of 4205 lines, arcs and shapes, not listed
Bottom Layer:
  drawing of 6412 lines, arcs and shapes, not listed
Multi-Layer:
  drawing of 1678 lines, arcs and shapes, not listed

## Silkscreen, mask and mechanical layers (free items; w line width, h text height)
Top Overlay:
  drawing of 194 lines, arcs and shapes, not listed
  text "Top Overlay Layer" at 2,138 h8
  text "villanif" at 132.275,69.297 h4
  text "LD_Harness V1" at 125.225,65.808 h4
  text "Interface side" at 26.485,55 h1.25
  text "Pulser side" at 37.985,55 h1.25
  text "Interface side" at 51.985,55 h1.25
  text "Pulser side" at 63.485,55 h1.25
  text "Interface side" at 77.485,55 h1.25
  text "Pulser side" at 88.985,55 h1.25
  text "Interface side" at 102.985,55 h1.25
  text "Pulser side" at 114.485,55 h1.25
  text "Interface side" at 128.485,55 h1.25
  text "Pulser side" at 139.985,55 h1.25
  text "Interface side" at 153.985,55 h1.25
  text "Pulser side" at 165.485,55 h1.25
  text "Interface side" at 179.485,55 h1.25
  text "Pulser side" at 190.985,55 h1.25
  text "Interface side" at 204.985,55 h1.25
  text "Pulser side" at 216.485,55 h1.25
  text "Interface side" at 230.485,55 h1.25
  text "Pulser side" at 241.985,55 h1.25
  text "PGND" at 46.94,53.076 h1.25
  text "PGND" at 72.44,53.076 h1.25
  text "PGND" at 97.94,53.076 h1.25
  text "PGND" at 123.44,53.076 h1.25
  text "PGND" at 148.94,53.076 h1.25
  text "PGND" at 174.44,53.076 h1.25
  text "PGND" at 199.94,53.076 h1.25
  text "PGND" at 225.44,53.076 h1.25
  text "V_LASER" at 46.922,51.803 h1.25
  text "V_LASER" at 72.422,51.803 h1.25
  text "V_LASER" at 97.922,51.803 h1.25
  text "V_LASER" at 123.422,51.803 h1.25
  text "V_LASER" at 148.922,51.803 h1.25
  text "V_LASER" at 174.422,51.803 h1.25
  text "V_LASER" at 199.922,51.803 h1.25
  text "V_LASER" at 225.422,51.803 h1.25
  text "PGND" at 47.034,50.525 h1.25
  text "PGND" at 72.534,50.525 h1.25
  text "PGND" at 98.034,50.525 h1.25
  text "PGND" at 123.534,50.525 h1.25
  text "PGND" at 149.034,50.525 h1.25
  text "PGND" at 174.534,50.525 h1.25
  text "PGND" at 200.034,50.525 h1.25
  text "PGND" at 225.534,50.525 h1.25
  text "3V3_P" at 47.034,49.255 h1.25
  text "3V3_P" at 72.534,49.255 h1.25
  text "3V3_P" at 98.034,49.255 h1.25
  text "3V3_P" at 123.534,49.255 h1.25
  text "3V3_P" at 149.034,49.255 h1.25
  text "3V3_P" at 174.534,49.255 h1.25
  text "3V3_P" at 200.034,49.255 h1.25
  text "3V3_P" at 225.534,49.255 h1.25
  text "OP_O" at 47.034,47.985 h1.25
  text "OP_O" at 72.534,47.985 h1.25
  text "OP_O" at 98.034,47.985 h1.25
  text "OP_O" at 123.534,47.985 h1.25
  text "OP_O" at 149.034,47.985 h1.25
  text "OP_O" at 174.534,47.985 h1.25
  text "OP_O" at 200.034,47.985 h1.25
  text "OP_O" at 225.534,47.985 h1.25
  text "PULSE_O" at 47.006,46.715 h1.25
  text "PULSE_O" at 72.506,46.715 h1.25
  text "PULSE_O" at 98.006,46.715 h1.25
  text "PULSE_O" at 123.506,46.715 h1.25
  text "PULSE_O" at 149.006,46.715 h1.25
  text "PULSE_O" at 174.506,46.715 h1.25
  text "PULSE_O" at 200.006,46.715 h1.25
  text "PULSE_O" at 225.506,46.715 h1.25
  text "PULSE_I" at 47,45.445 h1.25
  text "PULSE_I" at 72.5,45.445 h1.25
  text "PULSE_I" at 98,45.445 h1.25
  text "PULSE_I" at 123.5,45.445 h1.25
  text "PULSE_I" at 149,45.445 h1.25
  text "PULSE_I" at 174.5,45.445 h1.25
  text "PULSE_I" at 200,45.445 h1.25
  text "PULSE_I" at 225.5,45.445 h1.25
  text "AGND" at 47.034,44.175 h1.25
  text "AGND" at 72.534,44.175 h1.25
  text "AGND" at 98.034,44.175 h1.25
  text "AGND" at 123.534,44.175 h1.25
  text "AGND" at 149.034,44.175 h1.25
  text "AGND" at 174.534,44.175 h1.25
  text "AGND" at 200.034,44.175 h1.25
  text "AGND" at 225.534,44.175 h1.25
  text "VDD5" at 47.034,42.905 h1.25
  text "VDD5" at 72.534,42.905 h1.25
  text "VDD5" at 98.034,42.905 h1.25
  text "VDD5" at 123.534,42.905 h1.25
  text "VDD5" at 149.034,42.905 h1.25
  text "VDD5" at 174.534,42.905 h1.25
  text "VDD5" at 200.034,42.905 h1.25
  text "VDD5" at 225.534,42.905 h1.25
  text "STDN" at 47.034,41.635 h1.25
  text "STDN" at 72.534,41.635 h1.25
  text "STDN" at 98.034,41.635 h1.25
  text "STDN" at 123.534,41.635 h1.25
  text "STDN" at 149.034,41.635 h1.25
  text "STDN" at 174.534,41.635 h1.25
  text "STDN" at 200.034,41.635 h1.25
  text "STDN" at 225.534,41.635 h1.25
  text "TEMP" at 47.034,40.365 h1.25
  text "TEMP" at 72.534,40.365 h1.25
  text "TEMP" at 98.034,40.365 h1.25
  text "TEMP" at 123.534,40.365 h1.25
  text "TEMP" at 149.034,40.365 h1.25
  text "TEMP" at 174.534,40.365 h1.25
  text "TEMP" at 200.034,40.365 h1.25
  text "TEMP" at 225.534,40.365 h1.25
Bottom Overlay:
  text "Bottom Overlay Layer" at 2,130 h8
Top Coverlay:
  text "Top Coverlay opening Layer (negative)" at 2,100 h8
Bottom Coverlay:
  text "Bottom Coverlay Opening Layer (negative)" at 2,115 h8
Board:
  lines w0.1: 32.348,19.6 32.348,21.275 ; 32.85,20.2 32.35,20.5 ; 32.85,20.8 32.35,20.5 ; 34.75,9.75 37.25,9.75 ; 34.75,32 37.25,32 ; 35.5,20.2 36,20.5 ; 35.5,20.8 36,20.5 ; 36,9.25 36,10.25 ; 36,17 36,70 ; 36,34 48.75,34 ; 36.5,20.2 36,20.5 ; 36.5,20.8 36,20.5 ; 41.35,20.2 41.85,20.5 ; 41.35,20.8 41.85,20.5 ; 41.852,19.6 41.852,21.275 ; 48.75,35.25 48.75,34 ; 57.848,19.6 57.848,21.275 ; 58.35,20.2 57.85,20.5 ; 58.35,20.8 57.85,20.5 ; 60.25,9.75 62.75,9.75 ; 60.25,32 62.75,32 ; 61,20.2 61.5,20.5 ; 61,20.8 61.5,20.5 ; 61.5,9.25 61.5,10.25 ; 61.5,17 61.5,70 ; 61.5,33 61.5,34 ; 62,20.2 61.5,20.5 ; 62,20.8 61.5,20.5 ; 66.85,20.2 67.35,20.5 ; 66.85,20.8 67.35,20.5 ; 67.352,19.6 67.352,21.275 ; 74.25,35.56 74.25,34 ; 87,17 87,70 ; 99.75,35.56 99.75,34 ; 112.5,17 112.5,70 ; 125.25,35.56 125.25,34 ; 138,17 138,70 ; 150.75,35.56 150.75,34 ; 163.5,17 163.5,70 ; 176.25,35.56 176.25,34 ; 189,17 189,70 ; 201.75,35.56 201.75,34 ; 214.5,17 214.5,70 ; 227.25,35.56 227.25,34 ; 240,34 227.25,34 ; 32.35,20.5 36,20.5 ; 36,20.5 41.85,20.5 ; 48.75,34 61.5,34 ; 57.85,20.5 61.5,20.5 ; 61.5,20.5 67.35,20.5 ; 61.5,34 74.25,34 ; 74.25,34 87,34 99.75,34 ; 99.75,34 112.5,34 125.25,34 ; 125.25,34 138,34 150.75,34 ; 150.75,34 163.5,34 176.25,34 ; 176.25,34 189,34 201.75,34 ; 201.75,34 214.5,34 227.25,34
  lines w0.2: 238.75,32 241.25,32 ; 238.75,62.7 241.25,62.7 ; 240,30.75 240,33.25 ; 240,61.45 240,63.95
  lines w0.25: 0.525,17 71.525,17 ; 32.6,13.225 41.6,13.225 ; 58.1,13.225 67.1,13.225
  text "Board information layer" at 2,79.505 h8
  text "3.65mm" at 32.925,20.609 h0.8
  text "5.85mm" at 37.55,20.609 h0.8
  text "edge of pulser" at 56.025,18.101 h2
  text "Connector slot - projected" at 42,12.95 h0.8
  text "Connector slot - projected" at 67.5,12.95 h0.8
  text "2.5mm hole center - projection" at 37.424,9.4 h0.8
  text "2.5mm hole center - projection" at 62.924,9.4 h0.8
Board Shape:
  drawing of 174 lines, arcs and shapes, not listed
  text "Board shape layer" at 2,71 h8
Top Stiffener (Mech16):
  region: 236.65,7.7 cw(c236.65,8) 236.35,8 236.35,11.7 245.85,11.7 245.85,8 cw(c245.55,8) 245.55,7.7
  region: 211.15,7.7 cw(c211.15,8) 210.85,8 210.85,11.7 220.35,11.7 220.35,8 cw(c220.05,8) 220.05,7.7
  region: 185.65,7.7 cw(c185.65,8) 185.35,8 185.35,11.7 194.85,11.7 194.85,8 cw(c194.55,8) 194.55,7.7
  region: 160.15,7.7 cw(c160.15,8) 159.85,8 159.85,11.7 169.35,11.7 169.35,8 cw(c169.05,8) 169.05,7.7
  region: 134.65,7.7 cw(c134.65,8) 134.35,8 134.35,11.7 143.85,11.7 143.85,8 cw(c143.55,8) 143.55,7.7
  region: 109.15,7.7 cw(c109.15,8) 108.85,8 108.85,11.7 118.35,11.7 118.35,8 cw(c118.05,8) 118.05,7.7
  region: 83.65,7.7 cw(c83.65,8) 83.35,8 83.35,11.7 92.85,11.7 92.85,8 cw(c92.55,8) 92.55,7.7
  region: 58.15,7.7 cw(c58.15,8) 57.85,8 57.85,11.7 67.35,11.7 67.35,8 cw(c67.05,8) 67.05,7.7
  region: 32.65,7.7 cw(c32.65,8) 32.35,8 32.35,11.7 41.85,11.7 41.85,8 cw(c41.55,8) 41.55,7.7
  text "Top stiffener Layer" at 2,85 h8
Bottom Stiffener (Mech26):
  drawing of 47 lines, arcs and shapes, not listed
  text "Bottom Stiffener Layer" at 2,92 h8

## Dimensions
240,30.75 to 227.25,34 on Board
227.25,34 to 240,63.95 on Board
36,17 to 27.5,18 on Board
36,17 to 44.5,18.25 on Board
32.35,11.7 to 0.525,17 on Board

## Text inside footprints (layer, text, board x,y; h text height)
J1: Board "Stiffener / bottom" at 147,81.3 h1.5; Board "No Top Coverlay" at 125,82.375 h1; Board "3.5mm" at 129.291,82.175 h0.8 r90; Board "5.5mm" at 146.492,80.375 h0.8 r90
J2: Board "No Top Coverlay" at 128.2,101.05 h0.8 r180; Board "Stiffener / bottom" at 127.976,86.598 h1 r180; Board "2.5mm" at 128.41,100.291 h0.8 r270; Board "4mm" at 125.599,87.056 h0.8
J3: Board "No Top Coverlay" at 147.8,84.45 h0.8; Board "Stiffener / bottom" at 148.024,98.902 h1; Board "2.5mm" at 147.59,85.209 h0.8 r90; Board "4mm" at 150.401,98.444 h0.8 r180
J4_CHAN1: Board "Bottom Stiffener / Area" at 30.144,45.305 h2
J4_CHAN2: Board "Bottom Stiffener / Area" at 55.644,45.305 h2
J4_CHAN3: Board "Bottom Stiffener / Area" at 81.144,45.305 h2
J4_CHAN4: Board "Bottom Stiffener / Area" at 106.644,45.305 h2
J4_CHAN5: Board "Bottom Stiffener / Area" at 132.144,45.305 h2
J4_CHAN6: Board "Bottom Stiffener / Area" at 157.644,45.305 h2
J4_CHAN7: Board "Bottom Stiffener / Area" at 183.144,45.305 h2
J4_CHAN8: Board "Bottom Stiffener / Area" at 208.644,45.305 h2
J4_CHAN9: Board "Bottom Stiffener / Area" at 234.144,45.305 h2
J5_CHAN1: Board "No Top Coverlay" at 28.8,7.8 h0.8 r270; Board "Stiffener / bottom" at 43.252,8.024 h1 r270; Board "2.5mm" at 29.559,7.59 h0.8 r180; Board "4mm" at 42.794,10.401 h0.8 r90
J5_CHAN2: Board "Stiffener / bottom" at 68.752,8.024 h1 r270; Board "No Top Coverlay" at 54.3,7.8 h0.8 r270; Board "2.5mm" at 55.059,7.59 h0.8 r180; Board "4mm" at 68.294,10.401 h0.8 r90
J5_CHAN3: Board "Stiffener / bottom" at 94.252,8.024 h1 r270; Board "No Top Coverlay" at 79.8,7.8 h0.8 r270; Board "2.5mm" at 80.559,7.59 h0.8 r180; Board "4mm" at 93.794,10.401 h0.8 r90
J5_CHAN4: Board "Stiffener / bottom" at 119.752,8.024 h1 r270; Board "No Top Coverlay" at 105.3,7.8 h0.8 r270; Board "2.5mm" at 106.059,7.59 h0.8 r180; Board "4mm" at 119.294,10.401 h0.8 r90
J5_CHAN5: Board "No Top Coverlay" at 130.8,7.8 h0.8 r270; Board "Stiffener / bottom" at 145.252,8.024 h1 r270; Board "2.5mm" at 131.559,7.59 h0.8 r180; Board "4mm" at 144.794,10.401 h0.8 r90
J5_CHAN6: Board "No Top Coverlay" at 156.3,7.8 h0.8 r270; Board "Stiffener / bottom" at 170.752,8.024 h1 r270; Board "2.5mm" at 157.059,7.59 h0.8 r180; Board "4mm" at 170.294,10.401 h0.8 r90
J5_CHAN7: Board "No Top Coverlay" at 181.8,7.8 h0.8 r270; Board "Stiffener / bottom" at 196.252,8.024 h1 r270; Board "2.5mm" at 182.559,7.59 h0.8 r180; Board "4mm" at 195.794,10.401 h0.8 r90
J5_CHAN8: Board "No Top Coverlay" at 207.3,7.8 h0.8 r270; Board "Stiffener / bottom" at 221.752,8.024 h1 r270; Board "2.5mm" at 208.059,7.59 h0.8 r180; Board "4mm" at 221.294,10.401 h0.8 r90
J5_CHAN9: Board "Stiffener / bottom" at 247.252,8.024 h1 r270; Board "No Top Coverlay" at 232.8,7.8 h0.8 r270; Board "2.5mm" at 233.559,7.59 h0.8 r180; Board "4mm" at 246.794,10.401 h0.8 r90